# Altium PCB AirQualityMonitor.PcbDoc (continued)
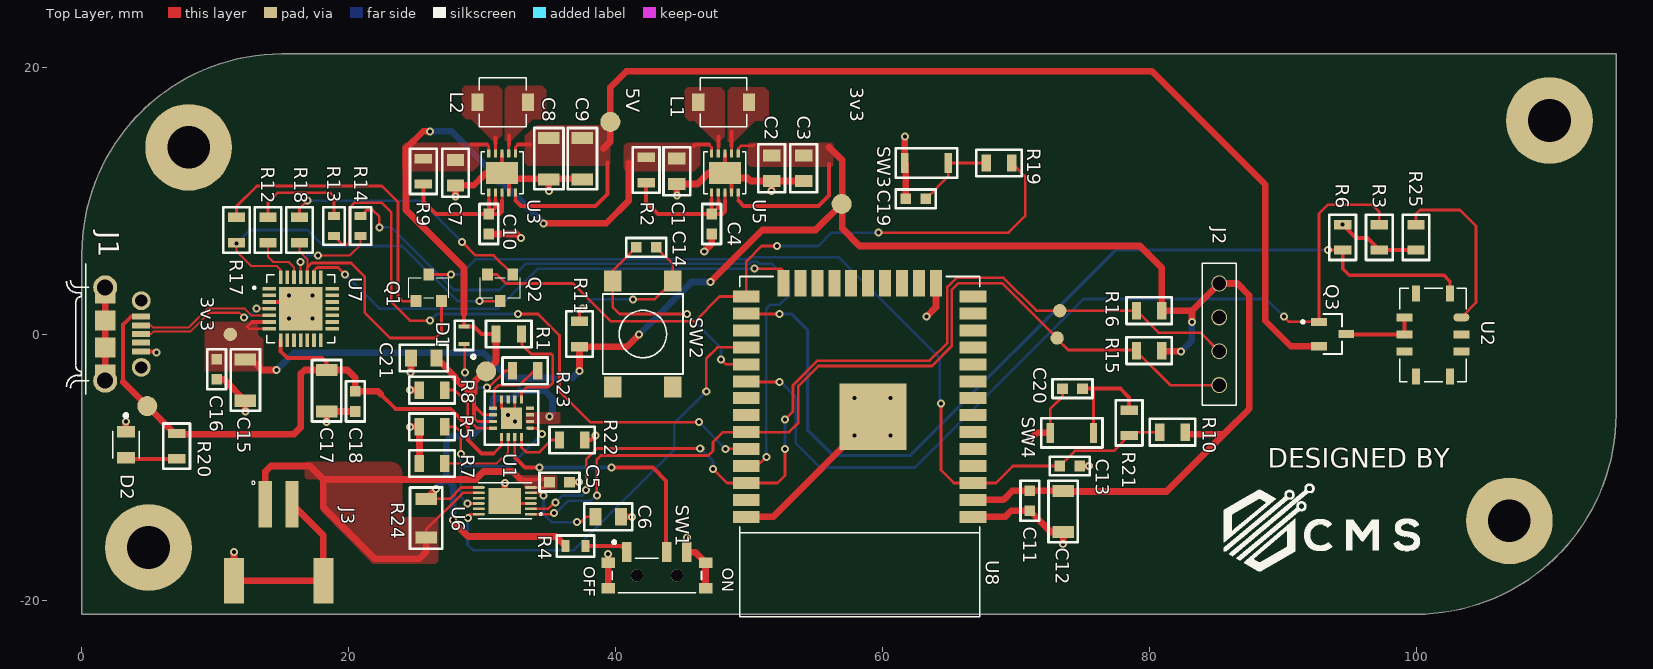
[diagram p0: Top Layer view]
## Part data (continued)
Q3: "P-Channel MOSFET 045R at VGS=-4.5V ID = -4.3A", Manufacturer=Diodes, Supplier Part Number 1=621-DMP2045U-7, ComponentLink1Description=Datasheet, ComponentLink1URL=https://www.diodes.com/assets/Datasheets/DMP2045U.pdf, Manufacturer Part Number=DMP2045U-7, Pricing 1="1=0.45, 10=0.289, 50=0.289, 100=0.124, 1000=0.095, 10000=0.064 (USD)", Stock 1=0, Supplier 1=Mouser
R1 R3 R5 R6 R10 R11 R17 R18: library part RC0805FR-0710KL, "RES SMD 10K OHM 1% 1/8W 0805", Case/Package=0805, Case Code (Metric)=2012, Manufacturer=Yageo, Max Operating Temperature=155°C, Max Power Dissipation=125mW, Min Operating Temperature=-55°C, Package Quantity=1, Resistance=10kR, Supplier Part Number 1=311-10.0KCRDKR-ND, Temperature Coefficient=100ppm/°C, Tolerance=1%, Voltage Rating=150V, Case Code (Imperial)=0805, ComponentLink1Description=http://www.yageo.com/documents/recent/PYu-RC_Group_51_RoHS_L_9.pdf, ComponentLink1URL=http://www.yageo.com/documents/recent/PYu-RC_Group_51_RoHS_L_9.pdf, ComponentLink2Description=http://www.farnell.com/datasheets/444164.pdf, ComponentLink2URL=http://www.farnell.com/datasheets/444164.pdf, ComponentLink3Description=http://www.yageo.ru/pdf/RC0805.pdf, ComponentLink3URL=http://www.yageo.ru/pdf/RC0805.pdf, Composition="Thick Film", Depth=1.25mm, Features="Moisture Resistant", Height=0.024inch, Lead Free="Lead Free", Length=2mm, Manufacturer Part Number=RC0805FR-0710KL, Military Standard=Not, Number of Terminations=2, Packaging="Tape and Reel", Power Rating=125mW, Pricing 1="1=0.1, 10=0.046, 100=0.0186, 1000=0.00835, 2500=0.00725 (USD)", REACH SVHC=Unknown, Stock 1=50767607, Supplier 1=Digi-Key, Termination=SMD/SMT, Width=0.049inch
R2 R9: library part RC0805JR-07100RL, "RES, THICK FILM, 100R, 5%, 0.125W, 0805", Case/Package=0805, Case Code (Metric)=2012, Manufacturer=Yageo, Max Operating Temperature=155°C, Min Operating Temperature=-55°C, Power Rating=125mW, Supplier Part Number 1=603-RC0805JR-07100RL, Temperature Coefficient=100ppm/°C, Tolerance=5%, Voltage Rating=150V, Case Code (Imperial)=0805, ComponentLink1Description=http://www.farnell.com/datasheets/444164.pdf, ComponentLink1URL=http://www.farnell.com/datasheets/444164.pdf, ComponentLink2Description=http://www.farnell.com/datasheets/2167052.pdf, ComponentLink2URL=http://www.farnell.com/datasheets/2167052.pdf, ComponentLink3Description=http://www.farnell.com/datasheets/442941.pdf, ComponentLink3URL=http://www.farnell.com/datasheets/442941.pdf, ComponentLink4Description=http://www.yageo.ru/pdf/RC0805.pdf, ComponentLink4URL=http://www.yageo.ru/pdf/RC0805.pdf, Composition="Thick Film", Contact Plating=Lead,Matte,Tin, Lead Free="Lead Free", Manufacturer Part Number=RC0805JR-07100RL, Packaging="Tape and Reel", Pricing 1="1=0.11, 10=0.026, 50=0.026, 100=0.009, 1000=0.007, 10000=0.004 (USD)", Radiation Hardening=No, REACH SVHC=Unknown, Resistance=100R, Stock 1=497207, Supplier 1=Mouser, Termination=SMD/SMT
R4: library part RC0603FR-07100KL, "YAGEO         RC0603FR-07100KL             RES, THICK FILM, 100K, 1%, 0.1W, 0603", Case/Package=0603, Case Code (Metric)=1608, Manufacturer=Yageo, Max Operating Temperature=155°C, Min Operating Temperature=-55°C, Power Rating=100mW, Resistance=100kR, Supplier Part Number 1=603-RC0603FR-07100KL, Temperature Coefficient=100ppm/°C, Tolerance=1%, Voltage Rating=50V, Working Voltage=75V, Case Code (Imperial)=0603, ComponentLink1Description=http://www.farnell.com/datasheets/2167052.pdf, ComponentLink1URL=http://www.farnell.com/datasheets/2167052.pdf, ComponentLink2Description=http://www.farnell.com/datasheets/1868787.pdf, ComponentLink2URL=http://www.farnell.com/datasheets/1868787.pdf, ComponentLink3Description=http://www.farnell.com/datasheets/1738695.pdf, ComponentLink3URL=http://www.farnell.com/datasheets/1738695.pdf, ComponentLink4Description=http://documents.rs-components.com/techlib://itc_doclist_GB.htm?stockno=5048940, ComponentLink4URL=http://documents.rs-components.com/techlib://itc_doclist_GB.htm?stockno=5048940, ComponentLink5Description=http://www.farnell.com/datasheets/443971.pdf, ComponentLink5URL=http://www.farnell.com/datasheets/443971.pdf, Composition="Thick Film", Depth=0.8mm, Height=0.45mm, Lead Free="Lead Free", Length=1.6mm, Manufacturer Part Number=RC0603FR-07100KL, Military Standard=Not, Number of Pins=2, Number of Terminations=2, Packaging="Tape and Reel", Pricing 1="1=0.1, 10=0.018, 50=0.018, 100=0.006, 1000=0.005, 10000=0.003 (USD)", REACH SVHC="No SVHC", Stock 1=667937, Supplier 1=Mouser, Termination=SMD/SMT, Voltage Rating (DC)=50V, Width=0.8mm
R7: library part CRCW080518K0FKEA, "RES SMD 18K OHM 1% 1/8W 0805", Case/Package=0805, Case Code (Metric)=2012, Manufacturer=Vishay, Max Operating Temperature=155°C, Max Power Dissipation=125mW, Min Operating Temperature=-55°C, Package Quantity=10, Resistance=18kR, Supplier Part Number 1=541-18.0KCDKR-ND, Temperature Coefficient=100ppm/°C, Tolerance=1%, Voltage Rating=150V, Case Code (Imperial)=0805, ComponentLink1Description=http://www.vishay.com/docs/20035/dcrcwe3.pdf, ComponentLink1URL=http://www.vishay.com/docs/20035/dcrcwe3.pdf, ComponentLink2Description=https://www.distrelec.biz/Web/Downloads/a_/en/flD-CRCW-e3_data_en.pdf?mime=application%2Fpdf, ComponentLink2URL=https://www.distrelec.biz/Web/Downloads/a_/en/flD-CRCW-e3_data_en.pdf?mime=application%2Fpdf, ComponentLink3Description=http://www.farnell.com/datasheets/2046716.pdf, ComponentLink3URL=http://www.farnell.com/datasheets/2046716.pdf, ComponentLink4Description=http://www.alliedelec.com/m/d/0c934d6939ccefa68dbe0b96d821c8cf.pdf, ComponentLink4URL=http://www.alliedelec.com/m/d/0c934d6939ccefa68dbe0b96d821c8cf.pdf, ComponentLink5Description=http://uk.rs-online.com/webdocs/0d98/0900766b80d98b26.pdf, ComponentLink5URL=http://uk.rs-online.com/webdocs/0d98/0900766b80d98b26.pdf, ComponentLink6Description=http://www.mouser.com/ds/2/427/dcrcwe3-109170.pdf, ComponentLink6URL=http://www.mouser.com/ds/2/427/dcrcwe3-109170.pdf, Composition="Thick Film", Contact Plating=Tin, Depth=1.25mm, Features="Automotive AEC-Q200", Height=0.45mm, Lead Free="Lead Free", Length=2mm, Manufacturer Part Number=CRCW080518K0FKEA, Military Standard=Not, Number of Pins=2, Number of Terminations=2, Packaging="Tape and Reel", Power Rating=125mW, Pricing 1="1=0.1, 10=0.069, 100=0.028, 1000=0.01256, 2500=0.0109 (USD)", Radiation Hardening=No, REACH SVHC=Unknown, Stock 1=0, Supplier 1=Digi-Key, Termination=SMD/SMT, Voltage Rating (DC)=150V, Weight=0.000194oz, Width=0.049inch, Working Voltage=150V
R8 R20 R22 R23: library part CRCW08051K60FKEA, "RES SMD 1.6K OHM 1% 1/8W 0805", Case/Package=0805, Case Code (Metric)=2012, Manufacturer=Vishay, Max Operating Temperature=155°C, Max Power Dissipation=125mW, Min Operating Temperature=-55°C, Package Quantity=5000, Resistance=1.6kR, Supplier Part Number 1=541-1.60KCDKR-ND, Temperature Coefficient=100ppm/°C, Tolerance=1%, Voltage Rating=150V, Case Code (Imperial)=0805, ComponentLink1Description=http://www.vishay.com/docs/20035/dcrcwe3.pdf, ComponentLink1URL=http://www.vishay.com/docs/20035/dcrcwe3.pdf, ComponentLink2Description=http://uk.rs-online.com/webdocs/0d98/0900766b80d98b26.pdf, ComponentLink2URL=http://uk.rs-online.com/webdocs/0d98/0900766b80d98b26.pdf, ComponentLink3Description=http://www.mouser.com/ds/2/427/dcrcwe3-109170.pdf, ComponentLink3URL=http://www.mouser.com/ds/2/427/dcrcwe3-109170.pdf, ComponentLink4Description=http://www.farnell.com/datasheets/2111203.pdf, ComponentLink4URL=http://www.farnell.com/datasheets/2111203.pdf, ComponentLink5Description=http://www.farnell.com/datasheets/2046716.pdf, ComponentLink5URL=http://www.farnell.com/datasheets/2046716.pdf, ComponentLink6Description=http://www.farnell.com/datasheets/1847332.pdf, ComponentLink6URL=http://www.farnell.com/datasheets/1847332.pdf, ComponentLink7Description=http://www.farnell.com/datasheets/1697337.pdf, ComponentLink7URL=http://www.farnell.com/datasheets/1697337.pdf, ComponentLink8Description=https://www.distrelec.biz/Web/Downloads/a_/en/flD-CRCW-e3_data_en.pdf?mime=application%2Fpdf, ComponentLink8URL=https://www.distrelec.biz/Web/Downloads/a_/en/flD-CRCW-e3_data_en.pdf?mime=application%2Fpdf, Composition="Thick Film", Contact Plating=Tin, Depth=1.25mm, Features="Automotive AEC-Q200", Height=0.45mm, Lead Free="Lead Free", Length=2mm, Manufacturer Part Number=CRCW08051K60FKEA, Military Standard=Not, Number of Pins=2, Number of Terminations=2, Packaging="Tape and Reel", Power Rating=125mW, Pricing 1="1=0.1, 10=0.069, 100=0.028, 1000=0.01256, 2500=0.0109 (USD)", Radiation Hardening=No, REACH SVHC=Unknown, Stock 1=12623, Supplier 1=Digi-Key, Termination=SMD/SMT, Voltage Rating (DC)=150V, Weight=0.000194oz, Width=0.049inch
R12 R19 R21: library part RC0805FR-07470RL, "RES SMD 470 OHM 1% 1/8W 0805", Case/Package=0805, Case Code (Metric)=2012, Manufacturer=Yageo, Max Operating Temperature=155°C, Max Power Dissipation=125mW, Min Operating Temperature=-55°C, Package Quantity=1, Resistance=470R, Supplier Part Number 1=311-470CRDKR-ND, Temperature Coefficient=100ppm/°C, Tolerance=1%, Voltage Rating=150V, Case Code (Imperial)=0805, ComponentLink1Description=http://www.yageo.com/documents/recent/PYu-RC_Group_51_RoHS_L_9.pdf, ComponentLink1URL=http://www.yageo.com/documents/recent/PYu-RC_Group_51_RoHS_L_9.pdf, ComponentLink2Description=http://www.farnell.com/datasheets/444164.pdf, ComponentLink2URL=http://www.farnell.com/datasheets/444164.pdf, ComponentLink3Description=http://documents.rs-components.com/techlib://itc_doclist_GB.htm?stockno=6182546, ComponentLink3URL=http://documents.rs-components.com/techlib://itc_doclist_GB.htm?stockno=6182546, ComponentLink4Description=http://www.yageo.ru/pdf/RC0805.pdf, ComponentLink4URL=http://www.yageo.ru/pdf/RC0805.pdf, Composition="Thick Film", Depth=1.25mm, Features="Moisture Resistant", Height=0.5mm, Lead Free="Lead Free", Lead Pitch=0.4mm, Length=2mm, Manufacturer Part Number=RC0805FR-07470RL, Military Standard=Not, Number of Pins=2, Number of Terminations=2, Packaging="Tape and Reel", Power Rating=125mW, Pricing 1="1=0.1, 10=0.046, 100=0.0186, 1000=0.00835, 2500=0.00725 (USD)", REACH SVHC=Unknown, Stock 1=2436062, Supplier 1=Digi-Key, Termination=SMD/SMT, Voltage Rating (DC)=150V, Width=1.25mm
R13 R14: library part RC0603FR-070RL, "Thick Film Resistors - SMD 0.0ohm 1%", Case/Package=0603, Case Code (Metric)=1608, Current Rating=1A, Manufacturer=Yageo, Max Operating Temperature=155°C, Max Power Dissipation=100mW, Min Operating Temperature=-55°C, Package Quantity=5000, Resistance=0mR, Supplier Part Number 1=311-0.0HRCT-ND, Temperature Coefficient=200ppm/°C, Tolerance=1%, Voltage Rating=50V, Working Voltage=75V, Case Code (Imperial)=0603, ComponentLink1Description=http://www.farnell.com/datasheets/1868787.pdf, ComponentLink1URL=http://www.farnell.com/datasheets/1868787.pdf, ComponentLink2Description=http://www.farnell.com/datasheets/443971.pdf, ComponentLink2URL=http://www.farnell.com/datasheets/443971.pdf, ComponentLink3Description=http://www.yageo.com/documents/recent/PYu-RC_Group_51_RoHS_L_9.pdf, ComponentLink3URL=http://www.yageo.com/documents/recent/PYu-RC_Group_51_RoHS_L_9.pdf, ComponentLink4Description=http://documents.rs-components.com/techlib://itc_doclist_GB.htm?stockno=5048827, ComponentLink4URL=http://documents.rs-components.com/techlib://itc_doclist_GB.htm?stockno=5048827, Composition="Thick Film", Contact Plating=Matte,Tin, Depth=0.8mm, Features="Moisture Resistant", Height=0.45mm, Lead Free="Lead Free", Length=1.6mm, Manufacturer Part Number=RC0603FR-070RL, Military Standard=Not, Number of Pins=2, Number of Terminations=2, Packaging="Tape and Reel", Power Rating=100mW, Radiation Hardening=No, REACH SVHC="No SVHC", Stock 1=0, Supplier 1=Mouser, Termination=SMD/SMT, Voltage Rating (DC)=50V, Width=0.031inch
R15 R16: library part RC0805JR-074K7L, "YAGEO         RC0805JR-074K7L             RES, THICK FILM, 4K7, 5%, 0.125W, 0805", Case/Package=Molded, Case Code (Imperial)=0805, Case Code (Metric)=2012, Manufacturer=Yageo, Max Operating Temperature=155°C, Min Operating Temperature=-55°C, Power Rating=125mW, Resistance=4.7kR, Supplier Part Number 1=311-4.7KARDKR-ND, Temperature Coefficient=100ppm/°C, Tolerance=5%, Voltage Rating=150V, ComponentLink1Description=http://www.farnell.com/datasheets/442941.pdf, ComponentLink1URL=http://www.farnell.com/datasheets/442941.pdf, ComponentLink2Description=http://www.yageo.ru/pdf/RC0805.pdf, ComponentLink2URL=http://www.yageo.ru/pdf/RC0805.pdf, ComponentLink3Description=http://www.mouser.com/ds/2/447/Yageo_08112016_RC0805-968729.pdf, ComponentLink3URL=http://www.mouser.com/ds/2/447/Yageo_08112016_RC0805-968729.pdf, Composition="Thick Film", Contact Plating=Lead,Matte,Tin, Depth=1.25mm, Lead Free="Lead Free", Length=2mm, Manufacturer Part Number=RC0805JR-074K7L, Military Standard=Not, Packaging="Tape and Reel", Pricing 1="1=0.1, 10=0.036, 100=0.0146, 1000=0.00654, 2500=0.00568 (USD)", Radiation Hardening=No, REACH SVHC=Unknown, Stock 1=4671769, Supplier 1=Digi-Key, Termination=SMD/SMT
R24: library part ERJ-8BWFR010V, "Current Sense Resistor, 0.01 ohm, 1206 [3216 Metric], 1 W,  1%, ERJ8B Series", Case/Package=1206, Case Code (Metric)=3216, Manufacturer=Panasonic, Max Operating Temperature=155°C, Max Power Dissipation=1W, Min Operating Temperature=-55°C, Package Quantity=1, Resistance=10mR, Supplier Part Number 1=P.010AUDKR-ND, Temperature Coefficient=200ppm/°C, Tolerance=1%, Case Code (Imperial)=1206, ComponentLink1Description=http://uk.rs-online.com/webdocs/13b8/0900766b813b869e.pdf, ComponentLink1URL=http://uk.rs-online.com/webdocs/13b8/0900766b813b869e.pdf, ComponentLink2Description=http://industrial.panasonic.com/www-data/pdf/AOA0000/AOA0000CE3.pdf, ComponentLink2URL=http://industrial.panasonic.com/www-data/pdf/AOA0000/AOA0000CE3.pdf, ComponentLink3Description=https://www.distrelec.biz/Web/Downloads/_t/ds/ERJ_eng_tds.pdf?mime=application%2Fpdf, ComponentLink3URL=https://www.distrelec.biz/Web/Downloads/_t/ds/ERJ_eng_tds.pdf?mime=application%2Fpdf, ComponentLink4Description=https://industrial.panasonic.com/cdbs/www-data/pdf/RDN0000/AOA0000C313.pdf, ComponentLink4URL=https://industrial.panasonic.com/cdbs/www-data/pdf/RDN0000/AOA0000C313.pdf, ComponentLink5Description=http://www.farnell.com/datasheets/39793.pdf, ComponentLink5URL=http://www.farnell.com/datasheets/39793.pdf, Composition="Low-Ohm-Resistor,Thick Film", Contact Plating=Tin, Depth=1.6mm, Features="Automotive AEC-Q200", Height=0.65mm, Lead Free="Lead Free", Length=3.2mm, Manufacturer Part Number=ERJ-8BWFR010V, Military Standard=Not, Mount="Surface Mount", Number of Terminations=2, Packaging="Tape and Reel", Power Rating=1W, Pricing 1="1=0.74, 10=0.618, 100=0.4148, 1000=0.2427, 2500=0.23475 (USD)", Radiation Hardening=No, REACH SVHC="No SVHC", Stock 1=131309, Supplier 1=Digi-Key, Termination=SMD/SMT, Width=1.6mm
R25: library part CRCW080582R0FKEA, "RES SMD 82 OHM 1% 1/8W 0805", Case/Package=0805, Case Code (Metric)=2012, Manufacturer=Vishay, Max Operating Temperature=155°C, Max Power Dissipation=125mW, Min Operating Temperature=-55°C, Package Quantity=10, Resistance=82R, Supplier Part Number 1=541-82.0CDKR-ND, Temperature Coefficient=100ppm/°C, Tolerance=1%, Voltage Rating=150V, Case Code (Imperial)=0805, ComponentLink1Description=http://www.vishay.com/docs/20035/dcrcwe3.pdf, ComponentLink1URL=http://www.vishay.com/docs/20035/dcrcwe3.pdf, ComponentLink2Description=https://www.alliedelec.com/m/d/0c934d6939ccefa68dbe0b96d821c8cf.pdf, ComponentLink2URL=https://www.alliedelec.com/m/d/0c934d6939ccefa68dbe0b96d821c8cf.pdf, ComponentLink3Description=http://www.farnell.com/datasheets/1697337.pdf, ComponentLink3URL=http://www.farnell.com/datasheets/1697337.pdf, ComponentLink4Description=http://www.farnell.com/datasheets/2111203.pdf, ComponentLink4URL=http://www.farnell.com/datasheets/2111203.pdf, ComponentLink5Description=http://www.farnell.com/datasheets/2046716.pdf, ComponentLink5URL=http://www.farnell.com/datasheets/2046716.pdf, ComponentLink6Description=https://www.distrelec.biz/Web/Downloads/a_/en/flD-CRCW-e3_data_en.pdf?mime=application%2Fpdf, ComponentLink6URL=https://www.distrelec.biz/Web/Downloads/a_/en/flD-CRCW-e3_data_en.pdf?mime=application%2Fpdf, ComponentLink7Description=http://www.mouser.com/ds/2/427/dcrcwe3-109170.pdf, ComponentLink7URL=http://www.mouser.com/ds/2/427/dcrcwe3-109170.pdf, ComponentLink8Description=http://uk.rs-online.com/webdocs/0d98/0900766b80d98b26.pdf, ComponentLink8URL=http://uk.rs-online.com/webdocs/0d98/0900766b80d98b26.pdf, Composition="Thick Film", Contact Plating=Tin, Depth=1.25mm, Features="Automotive AEC-Q200", Height=0.45mm, Lead Free="Lead Free", Length=2mm, Manufacturer Part Number=CRCW080582R0FKEA, Military Standard=Not, Number of Pins=2, Number of Terminations=2, Packaging="Tape and Reel", Power Rating=125mW, Pricing 1="1=0.1, 10=0.069, 100=0.028, 1000=0.01256, 2500=0.0109 (USD)", Radiation Hardening=No, REACH SVHC=Unknown, Stock 1=0, Supplier 1=Digi-Key, Termination=SMD/SMT, Voltage Rating (DC)=150V, Weight=0.000194oz, Width=0.049inch
SW1: "C & K COMPONENTS         PCM12SMTR             Slide Switch, SPDT, On-On, SMD, PCM Series, 300 mA", Contact Current Rating=300mA, Contact Resistance=70mR, Insulation Resistance=100mR, Manufacturer="ITT C&K", Max Operating Temperature=85°C, Max Voltage Rating (DC)=6V, Min Operating Temperature=-20°C, Package Quantity=1, Supplier Part Number 1=611-PCM12SMTR, Actuator Length=1.5mm, Actuator Material=Nylon,Polyamide, Actuator Type=Standard, ComponentLink1Description=https://www.ckswitches.com/media/1424/pcm.pdf, ComponentLink1URL=https://www.ckswitches.com/media/1424/pcm.pdf, ComponentLink2Description=https://products.avnet.com/shop/en/asia/switches-and-relays/switches/slide-switch/www.ckswitches.com/media/1424/pcm.pdf, ComponentLink2URL=https://products.avnet.com/shop/en/asia/switches-and-relays/switches/slide-switch/www.ckswitches.com/media/1424/pcm.pdf, ComponentLink3Description=http://www1.futureelectronics.com/doc/C%20&%20K%20COMPONENTS/PCM12SMTR.pdf, ComponentLink3URL=http://www1.futureelectronics.com/doc/C%20&%20K%20COMPONENTS/PCM12SMTR.pdf, ComponentLink4Description=http://www.farnell.com/datasheets/1789487.pdf, ComponentLink4URL=http://www.farnell.com/datasheets/1789487.pdf, Contact Material="Copper,Copper Alloy,Silver", Contact Plating=Silver, Current Rating=300mA, Depth=5mm, Lead Free="Lead Free", Length=7.7mm, Manufacturer Part Number=PCM12SMTR, Max Current Rating=300mA, Mechanical Life=10000Cycles, Mount="Surface Mount", Orientation="Right Angle", Packaging="Tape and Reel", Pricing 1="1=0.87, 10=0.83, 50=0.762, 100=0.726, 1000=0.581, 10000=0.528 (USD)", REACH SVHC="No SVHC", Stock 1=22229, Supplier 1=Mouser, Switch Function=On-On, Switch Travel=1.5mm, Termination="Gull Wing", Throw Configuration=SPDT, Voltage Rating (AC)=6V, Voltage Rating (DC)=6V, Width=6.7mm
SW2: "Switch Tact 6mm 100gf h=4.3mm", Package=None, Availability=Unavailable, MF=C&K, MP=PTS645SM43SMTR, Price=None, SnapEDA_Link=https://www.snapeda.com/parts/PTS645SM43SMTR/C%26K/view-part/?ref=snap
SW3 SW4: library part EVPAWCD4A, "Tactile Switch", Manufacturer=Panasonic, Supplier Part Number 1=P123439CT-ND, ComponentLink1Description=http://datasheet.octopart.com/EVPAWCD4A-Panasonic-datasheet-96186218.pdf, ComponentLink1URL=http://datasheet.octopart.com/EVPAWCD4A-Panasonic-datasheet-96186218.pdf, Manufacturer Part Number=EVPAWCD4A, Pricing 1="1=0.3, 10=0.289, 25=0.2788, 50=0.2686, 100=0.2582, 250=0.23756, 500=0.20658, 1000=0.17559, 5000=0.14719 (USD)", Stock 1=19414, Supplier 1=Digikey
U1: library part BQ24075RGTT, "TEXAS INSTRUMENTS   BQ24075RGTT   IC, BATTERY CHARGER,LI-ION, 1.5A, QFN-16", Case/Package=QFN, Manufacturer="Texas Instruments", Max Charge Current=1.5A, Max Input Voltage=26V, Max Operating Temperature=85°C, Max Output Current=4.5A, Max Output Voltage=5.6V, Max Supply Voltage=6.4V, Min Input Voltage=4.3V, Min Operating Temperature=-40°C, Min Output Voltage=5.4V, Min Supply Voltage=4.35V, Output Voltage=4.2V, Package Quantity=1, Supplier Part Number 1=595-BQ24075RGTT, ComponentLink1Description=https://www.verical.com/server-webapp/html/getDatasheet?partID=313264, ComponentLink1URL=https://www.verical.com/server-webapp/html/getDatasheet?partID=313264, ComponentLink2Description=http://www.ti.com/lit/gpn/bq24075, ComponentLink2URL=http://www.ti.com/lit/gpn/bq24075, ComponentLink3Description=http://www.farnell.com/datasheets/1885912.pdf, ComponentLink3URL=http://www.farnell.com/datasheets/1885912.pdf, ComponentLink4Description=http://www.farnell.com/datasheets/2001589.pdf, ComponentLink4URL=http://www.farnell.com/datasheets/2001589.pdf, ComponentLink5Description=http://www.ti.com/lit/ds/symlink/bq24079.pdf, ComponentLink5URL=http://www.ti.com/lit/ds/symlink/bq24079.pdf, ComponentLink6Description=http://www.ti.com/general/docs/lit/getliterature.tsp?genericPartNumber=BQ24079&&fileType=pdf, ComponentLink6URL=http://www.ti.com/general/docs/lit/getliterature.tsp?genericPartNumber=BQ24079&&fileType=pdf, ComponentLink7Description=http://datasheet.iiic.cc/texas_instruments/BQ24075RGTT.pdf, ComponentLink7URL=http://datasheet.iiic.cc/texas_instruments/BQ24075RGTT.pdf, Contact Plating=Gold, Height=0.95mm, Lead Free="Lead Free", Length=3.15mm, Manufacturer Part Number=BQ24075RGTT, Number of Cells=1, Number of Pins=16, Output Current=1.5A, Packaging="Tape and Reel", Pricing 1="1=2.59, 10=2.2, 50=2.2, 100=1.76, 1000=1.28, 10000=1.15 (USD)", Radiation Hardening=No, REACH SVHC="No SVHC", Stock 1=2131, Supplier 1=Mouser, Termination=SMD/SMT, Weight=0.000808oz, Width=3.15mm
U2: "10-500ppm Ethanol Sensor", Current Rating=32mA, Heating power="76mW typ, 71mW min, 81mW max", Heating resistance at nominal power="74R typ, 66R min, 82R max", Heating voltage=2.4V, Manufacturer="Amphenol SGX Sensortech", Max heater power dissipation=88mW, Maximum Operating Temp=+85C, Max sensitive layer power dissipation=8mW, Minimum Operating Temp=-30C, Sensing resistance in air (R_0)="100 to 1500R", Storage temperature range="-40 to 120C", Supplier Part Number 1=523-MICS-5524, Supply Voltage Max=5.1V, Supply Voltage Min=4.9V, Ammonia range=1-500ppm, Carbon monoxide range=1-1000ppm, Category="Air Quality Sensors", ComponentLink1Description="Hook-up Guide", ComponentLink1URL=https://learn.adafruit.com/adafruit-mics5524-gas-sensor-breakout/overview, ComponentLink2Description=Manufacturer, ComponentLink2URL=https://sgx.cdistore.com/Products/Detail/MICS5524-SGX-Sensortech/333420/, ComponentLink3Description=Datasheet, ComponentLink3URL=https://www.mouser.com/datasheet/2/18/1084_Datasheet-MiCS-5524-rev-8-1144838.pdf, Ethanol range=10-500ppm, Hydrogen range=1-1000ppm, Methane range=>1000ppm, Mounting Style=SMD, Relative humidity range=5-95%RH, Series=MICS, Supplier 1=Mouser
U3: library part TPS63002DRCR, "IC REG BUCK BOOST 5V 1.6A 10SON", Manufacturer="Texas Instruments", Max Input Voltage=5.5V, Max Operating Temperature=85°C, Max Output Current=1.2A, Max Output Voltage=5V, Min Input Voltage=1.8V, Min Operating Temperature=-40°C, Package Quantity=1, Quiescent Current=30uA, Supplier Part Number 1=595-TPS63002DRCR, Switching Frequency=1.5MHz, ComponentLink1Description=http://www.farnell.com/datasheets/1854797.pdf, ComponentLink1URL=http://www.farnell.com/datasheets/1854797.pdf, ComponentLink2Description=http://www.ti.com/lit/ds/symlink/tps63001.pdf, ComponentLink2URL=http://www.ti.com/lit/ds/symlink/tps63001.pdf, ComponentLink3Description=http://focus.ti.com/lit/ds/symlink/tps63001.pdf, ComponentLink3URL=http://focus.ti.com/lit/ds/symlink/tps63001.pdf, ComponentLink4Description=http://www.ti.com/general/docs/lit/getliterature.tsp?genericPartNumber=TPS63002&&fileType=pdf, ComponentLink4URL=http://www.ti.com/general/docs/lit/getliterature.tsp?genericPartNumber=TPS63002&&fileType=pdf, Contact Plating=Gold, Efficiency=96%, Lead Free="Lead Free", Manufacturer Part Number=TPS63002DRCR, Min Output Voltage=5V, Nominal Output Voltage=5V, Number of Outputs=1, Number of Pins=10, Operating Supply Voltage=5.5V, Output Current=1.2A, Output Type=Fixed, Output Voltage=5V, Packaging="Tape and Reel", Pricing 1="1=2.2, 10=1.87, 50=1.87, 100=1.5, 1000=1.09, 10000=0.973 (USD)", Radiation Hardening=No, REACH SVHC="No SVHC", Stock 1=3675, Supplier 1=Mouser, Synchronous Rectifier=Yes, Topology=Buck-Boost, Weight=0.000921oz
U5: library part TPS63001DRCT, "Conv DC-DC Single Non-Inv/Inv/Step Up/Step Down 1.8V to 5.5V 10-Pin VSON EP T/R", Frequency=1.5MHz, Manufacturer="Texas Instruments", Max Input Voltage=5.5V, Max Operating Temperature=85°C, Max Output Current=1.2A, Max Output Voltage=3.3V, Min Input Voltage=1.8V, Min Operating Temperature=-40°C, Package Quantity=250, Quiescent Current=30uA, Supplier Part Number 1=595-TPS63001DRCT, ComponentLink1Description=http://www.ti.com/lit/ds/symlink/tps63001.pdf, ComponentLink1URL=http://www.ti.com/lit/ds/symlink/tps63001.pdf, ComponentLink2Description=http://www.farnell.com/datasheets/1764456.pdf, ComponentLink2URL=http://www.farnell.com/datasheets/1764456.pdf, ComponentLink3Description=http://www.ti.com/general/docs/lit/getliterature.tsp?genericPartNumber=TPS63002&&fileType=pdf, ComponentLink3URL=http://www.ti.com/general/docs/lit/getliterature.tsp?genericPartNumber=TPS63002&&fileType=pdf, ComponentLink4Description=https://www.verical.com/server-webapp/html/getDatasheet?partID=188363, ComponentLink4URL=https://www.verical.com/server-webapp/html/getDatasheet?partID=188363, Contact Plating=Gold, Efficiency=96%, Height=0.9mm, Lead Free="Lead Free", Length=3mm, Manufacturer Part Number=TPS63001DRCT, Max Supply Voltage=5.5V, Min Output Voltage=3.3V, Min Supply Voltage=1.8V, Nominal Output Voltage=3.3V, Number of Outputs=1, Number of Pins=10, Output Configuration=Positive, Output Current=1.2A, Output Type=Fixed, Output Voltage=3.3V, Packaging="Tape and Reel", Pricing 1="1=2.53, 10=2.15, 50=2.15, 100=1.73, 1000=1.25, 10000=1.12 (USD)", Radiation Hardening=No, REACH SVHC="No SVHC", Stock 1=4204, Supplier 1=Mouser, Switching Frequency=1.5MHz, Synchronous Rectifier=Yes, Termination=SMD/SMT, Topology=Buck-Boost, Weight=0.000921oz, Width=3mm
U6: library part BQ27441DRZR-G1A, "IC BATT FUEL GAUGE LI-ION 12SON", Capacity=8000mAh, Case/Package=QFN, Manufacturer="Texas Instruments", Max Operating Temperature=85°C, Min Operating Temperature=-40°C, Operating Supply Voltage=4.5V, Output Current=500uA, Output Voltage=600mV, Package Quantity=3000, Supplier Part Number 1=595-BQ27441DRZR-G1A, ComponentLink1Description=Datasheet, ComponentLink1URL=http://www.ti.com/lit/ds/symlink/bq27441-g1.pdf, Contact Plating=Gold, Interface=I2C, Lead Free="Lead Free", Manufacturer Part Number=BQ27441DRZR-G1A, Mount="Surface Mount", Number of Cells=1, Number of Pins=12, Packaging="Tape and Reel", Pricing 1="1=2.54, 10=2.16, 50=2.16, 100=1.73, 1000=1.25, 10000=1.13 (USD)", Stock 1=12994, Supplier 1=Mouser
U7: library part CP2102N-A01-GQFN28, "SILICON LABS         CP2102N-A01-GQFN28             Interface Bridges, USB to UART, 3 V, 3.6 V, QFN, 28 Pins, -40 C                          New", Case/Package=QFN, Manufacturer="Silicon Labs", Max Operating Temperature=85°C, Max Supply Voltage=3.6V, Min Operating Temperature=-40°C, Min Supply Voltage=3V, Supplier Part Number 1=336-3694-ND, Manufacturer Part Number=CP2102N-A01-GQFN28, Number of Pins=28, Pricing 1="1=1.4, 25=1.3516, 100=1.2995, 1000=1.22501 (USD)", REACH SVHC=Unknown, Stock 1=15372, Supplier 1=Digi-Key
U8: "ESP32 Module", Manufacturer="Espressif Systems", Supplier Part Number 1=356-ESP32WROOM-32D, ComponentLink1Description=Datasheet, ComponentLink1URL=https://www.mouser.com/datasheet/2/891/esp32-wroom-32d_esp32-wroom-32u_datasheet_en-1365844.pdf, Manufacturer Part Number=ESP32-WROOM-32D, Pricing 1="1=3.8, 10=3.8, 50=3.8, 100=3.8, 1000=3.8, 10000=3.8 (USD)", Stock 1=1150, Supplier 1=Mouser

## Free pads (board coordinates)
  round 6.5 hole 3.2 mask+0.3: 1(5,-16) 1(8,14) 1(107,-14) 1(110,16)
  round 1 smd mask+0.1: 1(11.127,-0.027) 6(73.3,1.75) 7(73.1,-0.3)
  round 1.5 smd mask+0.1: 1(39.615,15.9) 1(56.95,9.75) 8(4.9,-5.4) 9(30.3,-2.8)

## Via types
v1: diameter 0.6, hole 0.3, Top Layer to Bottom Layer, tented both sides, 94 vias

## Nets (pads, with @x,y where several pads share a name; then routed paths per layer and width w, separated by ;. In a path a pad name is that pad's centre, name@x,y a point inside that pad or via, vN(x,y) a via of type N, cw(c..) or ccw(c..) an arc to the next point about the centre after c; other vN are vias at no path point)
3V3: C2.2 C3.2 C11.2 C12.2 C15.2 C16.2 J2.1 pad.1@11.127,-0.027 pad.1@56.95,9.75 R10.2 R11.2 R15.1 R16.2 U5.1 U5.10 U7.6 U7.7 U8.2 | length 150.7
  Top Layer w0.2: 12.412,0.55 12.762,0.9 ; 12.5,0.4 U7.7 ; 49.2,10 U5.10 ; U5.1 49.2,13.908 49.4,14.108 50.308,14.108 50.4,14.2
  Top Layer w0.3: 12.762,0.9 U7.6 ; 49.2,10 49.6,9.6 55.211,9.6 56,10.389 56,12.73
  Top Layer w0.5: C15.2 12.7,-1.9 13.5,-2.7 v1(14.6,-2.7) ; v1(37.3,-2.755) R11.2 40.85,-0.95 v1(41.773,-0.027) ; v1(47.1,3.9) 51,7.8 55,7.8 pad.1@57,9.8 ; 56,14.008 57,13.008 pad.1@57,9.8 ; U8.2 69.07,-12.43 69.75,-11.75 C11.2 C12.2 73.6,-11.8 81.31,-11.8 85.61,-7.5 ; R15.1@80.95,-1.3 v1(82.4,-1.3) ; R10.2 82.85,-7.5 85.61,-7.5 ; v1(83.2,0.9) 83.21,0.91 83.21,1.75 ; pad.1@57,9.8 57,7.9 58.3,6.6 79.3,6.6 80.95,4.95 R16.2 83.21,1.75 ; 83.21,1.75 J2.1 86.61,3.79 87.5,2.9 87.5,-5.61 85.61,-7.5
  Bottom Layer w0.5: v1(14.6,-2.7) 15.9,-1.4 30.1,-1.4 32,-3.3 36.755,-3.3 v1(37.3,-2.755) ; v1(41.773,-0.027) 45.7,3.9 v1(47.1,3.9) ; v1(82.4,-1.3) 83.2,-0.5 v1(83.2,0.9)
5V: C8.2 C9.2 pad.1@39.615,15.9 Q3.S U3.1 U3.10 | length 85
  Top Layer w0.2: 32.5,10 U3.10 ; U3.1 32.5,14.008 32.7,14.208
  Top Layer w0.3: 32.5,10 32.9,9.6 38.511,9.6 39.4,10.489 39.4,12.846 ; 32.7,14.208 33.592,14.208
  Top Layer w0.5: 39.1,13.908 39.615,14.423 39.615,15.9 39.615,18.5 40.815,19.7 80.2,19.7 88.7,11.2 88.7,1 90.615,-0.915 Q3.S
AOUT: R6.2 U2.D U8.26 | length 70.6
  Top Layer w0.254: U8.26 49.84,1.5 v1(52.3,1.5) ; v1(93.4,6.3) R6.2 94.5,4.9 95,4.4 102.1,4.4 102.545,3.955 U2.D
  Bottom Layer w0.254: v1(52.3,1.5) 53.2,1.5 54.4,0.3 54.4,-7.2 56.3,-9.1 62.1,-9.1 77.5,6.3 v1(93.4,6.3)
BATTIN: C5.1 J3.1 R24.2 U6.6 U6.8 | length 45
  Top Layer w0.2: R24.2 25.8,-14.65 28.55,-11.9 U6.8 ; U6.6 34.655,-11.5 C5.1 35.05,-10.9 34.5,-10.9
  Top Layer w0.3: 32.9,-10.9 34.5,-10.9
  Top Layer w0.5: J3.1 13.75,-10.3 14.16,-9.89 17.09,-9.89 18.1,-10.9 ; R24.2 25.8,-16.335 25.285,-16.85 21.958,-16.85 18.1,-12.992 18.1,-10.9 ; 32.9,-10.9 32.3,-10.3 30.1,-10.3 29.5,-10.9 18.1,-10.9
CTS: U7.23 U8.24 | length 39.3
  Top Layer w0.2: U7.23 17.4,4.75 17.642,4.992 19.208,4.992 v1(19.74,4.46) ; v1(50.4,4.9) 52.4,4.9 52.585,4.715 U8.24
  Bottom Layer w0.2: v1(19.74,4.46) 22.3,1.9 31.2,1.9 34.2,4.9 v1(50.4,4.9)
DTR: Q2.C R17.1 U7.28 | length 27.4
  Top Layer w0.152: R17.1@11.59,6.8 11.59,6.21 12.7,5.1 14.6,5.1 14.9,4.8 U7.28
  Top Layer w0.2: v1(29.8,2.46) Q2.C
  Bottom Layer w0.2: v1(11.6,6.8) 12.6,7.8 16.9,7.8 18.1,6.6 24,6.6 28.14,2.46 v1(29.8,2.46)
EN: C13.2 Q1.C R10.1 R21.2 U8.3 | length 68.8
  Top Layer w0.2: Q1.C v1(27.66,4.46) ; v1(64.4,-5.2) 64.4,-10.2 65.36,-11.16 U8.3 68.51,-11.16 69.78,-9.89 C13.2 74.44,-8.75 77.35,-8.75 R21.2 78.75,-7.35 R10.1
  Bottom Layer w0.2: v1(27.66,4.46) 28.36,4.46 29.5,5.6 49.892,5.6 50.046,5.754 56.746,5.754 64.3,-1.8 64.3,-5.1 v1(64.4,-5.2)
ENSENSOR: Q3.G R3.1 U8.30 | length 67.7
  Top Layer w0.2: U8.30 49.86,-3.6 v1(52.3,-3.6) ; v1(90.1,1.3) 90.485,0.915 Q3.G 92.725,9.025 93.4,9.7 96.7,9.7 97.25,9.15 R3.1
  Bottom Layer w0.2: v1(52.3,-3.6) 52.4,-3.6 53.5,-4.7 53.5,-8.171 55.329,-10 62.431,-10 75.063,2.631 88.769,2.631 v1(90.1,1.3)
FUEL: U6.12 U8.28 | length 33
  Top Layer w0.2: v1(28.946,-13.8) 28.946,-13.654 29.1,-13.5 U6.12 ; v1(46.8,-4.3) 46.8,-1.841 47.641,-1 U8.28
  Bottom Layer w0.2: v1(28.946,-13.8) 28.9,-13.846 28.9,-15.8 29.3,-16.2 36.9,-16.2 44.4,-8.7 44.4,-6.7 v1(46.8,-4.3)
GND: C1.2 C2.1 C3.1 C4.1 C5.2 C6.1 C7.2 C8.1 C9.1 C10.1 C11.1 C12.1 C13.1 C15.1 C16.1 C17.1 C18.1 C19.1 C20.1 C21.2 D2.2 J1.5 J2.2 J3.2 J3.P1 J3.P2 pad.1@5,-16 pad.1@8,14 pad.1@107,-14 pad.1@110,16 R3.2 R5.1 R6.1 R7.1 R8.1 R22.1 R25.1 SW1.3 SW1.S1 SW1.S2 SW1.S3 SW1.S4 SW3.1 SW4.1 U1.6 U1.8 U1.17 U3.3 U3.9 U3.11 U5.3 U5.9 U5.11 U6.3 U6.13 U7.3 U7.29 U8.1 U8.15 U8.38 U8.39 | length 122
  Top Layer w0.2: U1.8 31.45,-5.55 v1(31.95,-6.05) U1.17 32.45,-6.05 U1.6 ; U6.13 31.9,-12.7 U6.3 ; U5.11@48.577,11.7 U5.11@48.7,11.577 ; SW4.1 72.575,-5.625 73.5,-4.7 C20.1
  Top Layer w0.3: J1.5 5.5,-1.3 v1(5.6,-1.4) ; U7.3 15.9,2.4 U7.29 ; U3.11 U3.3 ; U3.11@31.927,11.65 32,11.577 U3.9 ; R22.1 38.154,-7.946 v1(38.5,-7.6) ; U5.11 U5.3 ; U5.9 U5.11@48.7,11.577 ; v1(94.5,8.2) 95.5,7.2 96.35,7.2 R3.2 R25.1
  Top Layer w0.5: D2.2 v1(3.3,-6.55) ; C16.1 10.65,-3.4 C15.1 v1(12.25,-5.8) ; v1(11.4,-16.35) J3.P1 J3.P2 18.1,-15.1 J3.2 ; v1(18.35,-6.6) C17.1 C18.1 ; v1(24.6,-6.95) R5.1 R7.1 ; v1(24.6,-4.2) R8.1 ; v1(24.625,-2.875) 24.675,-2.825 C21.2 ; v1(28,10.3) C7.2 29.373,11.15 30.3,12.077 U3.11 31.927,11.65 C8.1@35,11.65 ; C10.1 32.6,7.5 v1(32.9,7.2) ; U6.13 v1(31.7,-11.16) ; v1(35,10.704) C8.1@35,11.65 ; C5.2 37.245,-11.105 v1(37.25,-11.1) ; C9.1@37.382,11.65 C8.1@35,11.65 ; SW1.S2 SW1.S1 v1(39.45,-16.5) ; C6.1 v1(41.25,-13.7) ; v1(44.6,10.389) C1.2 46.15,11.25 46.977,12.077 U5.11 48.577,11.7 49.9,11.7 50.125,11.475 C2.1 ; v1(45.35,-15.25) SW1.3 45.965,-16.35 SW1.S4 SW1.S3 ; v1(46.65,6.2) 47.2,6.75 C4.1 ; U8.38 51.8,-13.7 U8.39 ; v1(51.7,10.704) C2.1 ; C3.1 C2.1 ; v1(61.68,14.8) SW3.1 61.755,12.748 C19.1 ; v1(63.3,1.3) 64.015,2.015 U8.15 ; U8.1 69.2,-13.7 69.65,-13.25 C11.1 72.65,-14.85 C12.1 v1(73.55,-15.75) ; v1(71.05,-7.9) 71.55,-7.4 SW4.1 ; C13.1 v1(75.5,-9.89)
  other v1: 57.9,-7.6 60.6,-7.6 32.45,-6.55 57.9,-4.8 60.6,-4.81 15.54,1.15 17.29,1.15 15.54,2.9 17.29,2.9
IO0: Q2.E R19.2 U8.25 | length 51
  Top Layer w0.2: Q2.E 31.129,4.46 31.806,3.783 36.817,3.783 39.65,0.95 45.95,0.95 47.81,2.81 U8.25 49.8,5.45 50.95,6.6 v1(52.1,6.6) ; v1(59.7,7.6) 69.45,7.6 70.7,8.85 70.7,11.823 R19.2
  Bottom Layer w0.2: v1(52.1,6.6) 55.2,6.6 56.2,7.6 v1(59.7,7.6)
IO5: C14.2 SW2.2 U8.29 | length 17.5
  Top Layer w0.2: C14.2 39.8,4.75 SW2.2 39.8,2 40.3,1.5 v1(45.35,1.5) ; v1(47.9,-1.9) 48.27,-2.27 48.7,-2.27 U8.29
  Bottom Layer w0.2: v1(45.35,1.5) 47.9,-1.05 v1(47.9,-1.9)
NetC4_2: C4.2 R2.1 U5.6 U5.7 U5.8 | length 12.6
  Top Layer w0.2: 47.2,10.1 U5.6 ; 47.7,10 U5.7 ; 48.2,10 U5.8
  Top Layer w0.3: R2.1 42.3,9.9 43.2,9 C4.2 ; 47.2,10.1 C4.2 ; 47.7,10 47.7,9.5 C4.2 ; 48.2,10 48.2,9.2 48,9 C4.2
NetC6_2: C6.2 U6.5 | length 6.7
  Top Layer w0.2: U6.5 34.4,-11.9 v1(34.6,-12.1) ; v1(37.1,-14.1) 37.4,-14.1 37.8,-13.7 C6.2
  Bottom Layer w0.2: v1(34.6,-12.1) 34.6,-13.5 35.2,-14.1 v1(37.1,-14.1)
NetC10_2: C10.2 R9.1 U3.6 U3.7 U3.8 | length 12.5
  Top Layer w0.2: 30.5,10.1 U3.6 ; 31,10 U3.7 ; 31.5,10 U3.8
  Top Layer w0.3: R9.1 25.6,9.927 26.527,9 C10.2 ; 30.5,10.1 C10.2 ; 31,10 31,9.5 C10.2 ; 31.5,10 31.5,9.2 31.3,9 C10.2
NetC14_1: C14.1 R11.1 SW2.4 | length 11.7
  Top Layer w0.2: R11.1 37.3,1.691 v1(37.509,1.9) ; v1(41.3,2.6) 42.925,2.6 SW2.4 44.3,5.25 C14.1
  Bottom Layer w0.2: v1(37.509,1.9) 38.209,2.6 v1(41.3,2.6)
NetC19_2: C19.2 R19.1 SW3.2 | length 6.3
  Top Layer w0.2: C19.2 64.93,11.808 SW3.2 R19.1
NetC20_2: C20.2 R21.1 SW4.2 | length 8.1
  Top Layer w0.2: 75.6,-4.1 75.825,-4.325 SW4.2
  Top Layer w0.3: C20.2 75.6,-4.1 77.85,-4.1 78.5,-4.75 R21.1
NetD1_2: D1.2 R23.1 | length 7.4
  Top Layer w0.2: D1.2 28.7,-0.804 v1(28.7,-2.9) ; v1(30.372,-4.014) 30.486,-4.014 31.745,-2.755 R23.1
  Bottom Layer w0.2: v1(28.7,-2.9) 28.7,-3.85 29.009,-4.159 29.154,-4.014 v1(30.372,-4.014)
NetD2_1: D2.1 R20.1 | length 3.8
  Top Layer w0.3: D2.1 3.375,-9.35 R20.1
NetJ1_2: J1.2 U7.5 | length 10.5
  Top Layer w0.152: J1.2 5.176,0.65 5.336,0.49 8,0.49 9.41,1.9 12.207,1.9 12.71,1.397 14.037,1.397 U7.5
NetJ1_3: J1.3 U7.4 | length 10.7
  Top Layer w0.152: J1.3 5.176,0 5.362,0.185 8.126,0.185 9.536,1.595 11.8,1.595 v1(12.145,1.25) ; v1(13.1,1.9) U7.4
  Bottom Layer w0.152: v1(12.145,1.25) 12.45,1.25 v1(13.1,1.9)
NetL1_1: L1.1 U5.4 | length 1.3
  Top Layer w0.2: U5.4 47.7,14.07
  Top Layer w0.3: 47.7,14.07 47.7,14.8
NetL1_2: L1.2 U5.2 | length 1.6
  Top Layer w0.2: U5.2 48.7,14.108
  Top Layer w0.3: 48.7,14.108 48.7,15.161
NetL2_1: L2.1 U3.4 | length 1.4
  Top Layer w0.2: U3.4 31,14.3
  Top Layer w0.3: L2.1@29.65,17.175 L2.1 ; 31,14.3 31,14.75
NetL2_2: L2.2 U3.2 | length 1.6
  Top Layer w0.2: U3.2 32,14.208
  Top Layer w0.3: 32,14.208 32,14.9 ; L2.2@33.45,17.175 L2.2
NetQ1_B: Q1.B R17.2 | length 22.7
  Top Layer w0.2: R17.2 11.59,9.578 13.112,11.1 22.5,11.1 23.7,9.9 23.7,2.8 24.04,2.46 Q1.B
NetQ2_B: Q2.B R18.2 | length 19.2
  Top Layer w0.2: R18.2 16.31,9.41 v1(16.9,10) ; v1(28.5,6.9) 28.51,6.9 29.51,5.9 30.86,5.9 Q2.B
  Bottom Layer w0.2: v1(16.9,10) 25.4,10 v1(28.5,6.9)
NetQ3_D: Q3.D U2.F U2.G | length 5.7
  Top Layer w0.3: Q3.D 94.795,-0.02 U2.G U2.F
NetR1_1: R1.1 U1.5 | length 8.7
  Top Layer w0.2: R1.1 32.986,-0.04 32.986,-0.804 33.682,-1.5 35.204,-1.5 35.3,-1.596 35.3,-3.65 34.95,-4 33.329,-4 32.95,-4.379 U1.5
NetR4_1: R4.1 SW1.1 | length 3.3
  Top Layer w0.3: R4.1 40.4,-15.9 SW1.1
NetR7_2: R7.2 U1.14 | length 6.3
  Top Layer w0.152: R7.2 31.1,-9.7 31.95,-8.85 U1.14
NetR8_2: R8.2 U1.12 | length 5.5
  Top Layer w0.2: R8.2 27.927,-4.2 28.923,-5.196 28.923,-6.356 29.617,-7.05 U1.12
NetR12_1: R12.1 U7.26 | length 4.1
  Top Layer w0.152: R12.1 13.95,5.8 14.35,5.4 15.5,5.4 15.9,5 U7.26
NetR22_2: R22.2 U1.16 | length 4.2
  Top Layer w0.2: U1.16 32.95,-8.493 33.308,-8.85 34.3,-8.85 35.204,-7.946 R22.2
NetR23_2: R23.2 U1.9 | length 5.3
  Top Layer w0.2: U1.9 30.899,-5.451 30.899,-4.155 31.216,-3.838 32.791,-3.838 33.874,-2.755 R23.2
NetR25_2: R25.2 U2.C | length 13.2
  Top Layer w0.2: R25.2 100,9 100.3,9.3 103.3,9.3 104.5,8.1 104.5,2.35 U2.C
NetSW1_2: SW1.2 U1.15 | length 18.7
  Top Layer w0.2: 32.45,-9.25 U1.15
  Top Layer w0.3: 32.45,-9.25 33.2,-10 v1(34.3,-10) ; v1(39.7,-10) 42.8,-10 43.8,-11 SW1.2@43.8,-16.05
  Bottom Layer w0.3: v1(34.3,-10) v1(39.7,-10)
RTS: Q1.E R18.1 U7.24 | length 19.4
  Top Layer w0.152: R18.1 16.31,6.202 16.903,5.608 16.903,5.003
  Top Layer w0.2: U7.24 16.9,5 16.903,5.003 17.219,5.319 20.181,5.319 21.2,4.3 21.2,1.6 23.1,-0.3 26.5,-0.3 26.95,0.15 Q1.E
RXD: R14.1 U7.25 | length 6.8
  Top Layer w0.152: U7.25 v1(16.4,5.4) ; v1(17.7,5.9) 20.1,5.9 20.9,6.7 R14.1
  Bottom Layer w0.152: v1(16.4,5.4) 16.9,5.9 v1(17.7,5.9)
RXD0: R13.2 U8.34 | length 48.4
  Top Layer w0.2: R13.2 19.55,6.7 19.9,6.7 20.1,6.9 20.1,9.5 20.45,9.85 22.45,9.85 23.2,9.1 23.2,2.4 24.6,1 v1(26.1,1) ; v1(32.7,1.5) 34.2,1.5 35.8,-0.1 35.8,-4.3 38.1,-6.6 v1(46.25,-6.6) ; v1(48.25,-8.6) 49.78,-8.6 U8.34
  Bottom Layer w0.2: v1(26.1,1) 26.6,1.5 v1(32.7,1.5) ; v1(46.25,-6.6) v1(48.25,-8.6)
SCL: J2.3 pad.6 R16.1 U6.2 U8.36 | length 71
  Top Layer w0.2: U6.2 34.955,-13.1 35.418,-12.637 v1(35.5,-12.637) ; v1(37.8,-11.7) 37.8,-9.4 38.627,-8.573 v1(46.35,-8.573) ; v1(47.3,-10.1) 48.36,-11.16 U8.36 52.14,-11.16 52.7,-10.6 v1(52.7,-8.6) ; v1(52.7,-6.4) 53.3,-5.8 53.3,-3.838 55.138,-2 63.549,-2 64.873,-0.676 64.873,3.539 65.551,4.217 69.083,4.217 71.55,1.75 pad.6 R16.1 80.7,0.1 83.86,0.1 J2.3
  Bottom Layer w0.2: v1(35.5,-12.637) 36.037,-12.1 37.5,-12.1 37.8,-11.8 v1(37.8,-11.7) ; v1(46.35,-8.573) 47.3,-9.523 v1(47.3,-10.1) ; v1(52.7,-8.6) v1(52.7,-6.4)
SDA: J2.4 pad.7 R15.2 U6.1 U8.33 | length 68.2
  Top Layer w0.2: U6.1 35.3,-13.5 v1(35.4,-13.4) ; v1(38.6,-12.1) 38.6,-9.4 38.9,-9.1 46.95,-9.1 47.3,-8.75 47.3,-8.1 48.05,-7.35 U8.33 53,-7.35 53.7,-6.65 53.7,-3.9 55.2,-2.4 63.715,-2.4 65.2,-0.915 65.2,3.3 65.717,3.817 68.983,3.817 pad.7 73.1,-0.366 73.934,-1.2 78.95,-1.2 79.05,-1.3 81.58,-3.83 J2.4
  Bottom Layer w0.2: v1(35.4,-13.4) 35.4,-13.545 36.445,-12.5 38.128,-12.5 38.528,-12.1 v1(38.6,-12.1)
TS: R5.2 U1.1 U6.10 | length 16
  Top Layer w0.2: R5.2 28,-6.95 28.4,-7.35 v1(28.4,-9) ; v1(28.9,-12.7) U6.10 ; U1.1 34.05,-7.05 v1(34.5,-7.5)
  Bottom Layer w0.2: v1(28.4,-9) 28.4,-9.9 ; v1(28.9,-12.7) 28.4,-12.2 28.4,-9.9 ; v1(34.5,-7.5) 32.1,-9.9 28.4,-9.9
TXD: R12.2 R13.1 | length 7.9
  Top Layer w0.2: R12.2 13.95,9.85 14.7,10.6 18.6,10.6 18.9,10.3 R13.1
TXD0: R14.2 U8.35 | length 52.8
  Top Layer w0.2: R14.2 21.346,9.296 21.8,9.296 22.3,8.796 v1(22.3,8) ; U8.35 50.61,-9.89 v1(51.3,-9.2)
  Bottom Layer w0.2: v1(22.3,8) 23.2,8 27.9,3.3 31.3,3.3 33.273,5.273 50.028,5.273 50.182,5.427 50.618,5.427 50.772,5.273 51.7,5.273 53,3.973 53,2.9 52.3,2.2 51.6,2.2 51.3,1.9 v1(51.3,-9.2)
VBAT: R4.2 R24.1 U1.2 U1.3 U6.7 | length 33.7
  Top Layer w0.2: R24.1 27.577,-12.35 28.427,-11.5 U6.7
  Top Layer w0.5: R24.1 v1(26.55,-11.6) ; v1(27.825,-13.925) 27.825,-14.05 28.95,-15.175 35.525,-15.175 R4.2
  Bottom Layer w0.5: v1(26.55,-11.6) 27.3,-10.85 ; v1(27.825,-13.925) 27.825,-11.375 27.3,-10.85 ; v1(35.05,-6.175) 35.275,-5.95 35.275,-4.825 34.7,-4.25 32.866,-4.25 32.28,-4.836 30.864,-4.836 30.823,-4.877 30.823,-6.077 29.25,-7.65 27.75,-7.65 27.3,-8.1 27.3,-10.85
VOUT: C1.1 C7.1 C21.1 D1.1 pad.9 R1.2 R2.2 R9.2 U1.10 U1.11 U3.5 U5.5 | length 59.5
  Top Layer w0.2: 29.4,-6.3 29.65,-6.55 U1.11 ; 29.6,-5.6 30.05,-6.05 U1.10 ; 30.353,14.217 30.5,14.07 U3.5 ; 47,14.2 47.2,14 U5.5
  Top Layer w0.3: 28.646,1.536 D1.1 29.403,0.55 29.953,0 R1.2 ; 29.2,14.2 29.217,14.217 30.353,14.217 ; 29.4,-6.3 29.4,-5.4 ; 29.4,-4.4 29.4,-5.4 ; 29.6,-5.6 29.4,-5.4 ; 45.9,14.108 45.992,14.2 47,14.2
  Top Layer w0.5: v1(26.1,15.2) 25.592,15.2 24.3,13.908 24.3,9.296 28.646,4.95 28.646,1.536 ; C21.1 27.9,-3.125 27.9,-3.225 29.075,-4.4 29.4,-4.4 29.4,-3.6 30.2,-2.8 pad.9 31.046,-2.054 R1.2 ; v1(34.6,8.3) 39.3,8.3 41,10 41,12.823
  Bottom Layer w0.5: v1(26.1,15.2) 27.7,15.2 30.823,12.077 30.823,11.796 31.22,11.4 31.5,11.4 v1(34.6,8.3)
VUSB: C17.2 C18.2 J1.1 pad.8 R20.2 U1.13 U7.8 | length 50.1
  Top Layer w0.2: 30.854,-8.95 31.45,-8.354 U1.13
  Top Layer w0.3: 3.1,-3.6 3.1,0.7 3.7,1.3 J1.1 ; U7.8 14.9,-1.29 15.41,-1.8 18,-1.8 18.35,-2.15 C17.2 ; 22.4,-4.5 23.5,-5.6 27.634,-5.6 28.946,-6.912 28.946,-7.946 29.95,-8.95 30.854,-8.95
  Top Layer w0.5: 3.1,-3.6 pad.8 6.95,-7.45 R20.2 ; R20.2@7,-7.5 15.9,-7.5 16.4,-7 16.4,-3 16.7,-2.7 C17.2 19.9,-2.7 20.5,-3.3 C18.2 22.2,-4.3 22.4,-4.5
pads on no net: J1.4 J1.P$6 J1.P$7 J1.P$8 J1.P$9 J1.P$10 J1.P$11 J1.P$12 J1.P$13 SW1.None SW2.1 SW2.3 U1.4 U1.7 U2.A U2.B U2.E U2.H U2.J U2.K U6.4 U6.9 U6.11 U7.1 U7.2 U7.9 U7.10 U7.11 U7.12 U7.13 U7.14 U7.15 U7.16 U7.17 U7.18 U7.19 U7.20 U7.21 U7.22 U7.27 U8.4 U8.5 U8.6 U8.7 U8.8 U8.9 U8.10 U8.11 U8.12 U8.13 U8.14 U8.16 U8.17 U8.18 U8.19 U8.20 U8.21 U8.22 U8.23 U8.27 U8.31 U8.32 U8.37
copper on no net: | length 6.1
  Top Layer w0.5: 1.75,-3.05 1.75,-1 1.75,1 1.75,3.05

## Polygon pours and split planes (outlines as drawn)
BATTIN on Top Layer "Top Layer-BATTIN 1" (solid, pour order 65): 35.5,-10.6 cw(c35.5,-10.75) 35.65,-10.75 35.65,-11.475 cw(c35.5,-11.475) 35.5,-11.625 33.3,-11.625 cw(c33.3,-11.475) 33.15,-11.475 33.15,-11.325 ccw(c33.025,-11.325) 33.025,-11.2 32.692,-11.2 cw(c32.692,-11.108) 32.6,-11.108 32.6,-10.6
BATTIN on Top Layer "Top Layer-BATTIN 2" (solid, pour order 63): 32.725,-10.725
BATTIN on Top Layer "Top Layer-BATTIN" (solid, pour order 57): 16.825,-9.575 ccw(c16.825,-9.7) 16.7,-9.7 16.7,-10.6 ccw(c17,-10.6) 17,-10.9 17.642,-10.9 cw(c17.642,-11.158) 17.9,-11.158 17.9,-13.25 21.8,-17.2 26.45,-17.2 ccw(c26.45,-16.925) 26.725,-16.925 26.725,-14.05 ccw(c26.4,-14.05) 26.4,-13.725 24.45,-13.725 cw(c24.45,-13.3) 24.025,-13.3 24.025,-10.475 ccw(c23.125,-10.475) 23.125,-9.575
VBAT on Top Layer "Top Layer-VBAT" (solid, pour order 51): 33.275,-5.875 33.275,-6.6 ccw(c33.4,-6.6) 33.4,-6.725 35.725,-6.725 ccw(c35.725,-6.575) 35.875,-6.575 35.875,-6 ccw(c35.725,-6) 35.725,-5.85 33.3,-5.85 ccw(c33.3,-5.875)
no net on Top Layer "Top Layer-No Net 2" (solid, pour order 47): 32.3,-10.3
3V3 on Top Layer "Top Layer-3V3" (solid, pour order 28): 49.9,14.208 49.9,14.223 50.015,14.323 56.215,14.323 56.315,14.223 56.315,12.623 56.215,12.523 50.115,12.523 49.9,12.738
NetL1_2 on Top Layer "Top Layer-NetL1_2" (solid, pour order 30): 48.4,18.25 48.65,18.5 51.2,18.5 51.5,18.2 51.5,16.3 51.2,16 50.486,16 48.886,14.4 48.4,14.4
NetL1_1 on Top Layer "Top Layer-NetL1_1" (solid, pour order 32): 47.9,18.5 48.2,18.2 48.2,14.8 47.8,14.4 47.5,14.4 46.8,15.1 45.9,16 45.5,16 45.2,16.3 45.2,18.3 45.4,18.5
3V3 on Top Layer "Top Layer-3V3 1" (solid, pour order 34): 9.2,-2.8 13.4,-2.8 13.6,-2.6 13.6,-0.4 13.2,0 13.2,0.915 9.675,0.915 9.2,0.44
VOUT on Top Layer "Top Layer-VOUT" (solid, pour order 14): 24,12.4 24.2,12.2 29.3,12.2 29.75,12.65 29.75,14.083 29.5,14.333 24.233,14.333 24,14.1
VOUT on Top Layer "VOUT_L01_P026" (solid, pour order 26): 40.604,12.4 40.804,12.2 45.904,12.2 46.354,12.65 46.354,14.083 46.104,14.333 40.837,14.333 40.604,14.1
NetL2_2 on Top Layer "Top Layer-NetL2_2" (solid, pour order 24): 31.7,18.35 31.95,18.6 34.5,18.6 34.8,18.3 34.8,16.4 34.5,16.1 33.786,16.1 32.186,14.5 31.7,14.5
NetL2_1 on Top Layer "NETL2_1_L01_P022" (solid, pour order 22): 31.2,18.6 31.5,18.3 31.5,14.9 31.1,14.5 30.8,14.5 30.1,15.2 29.2,16.1 28.8,16.1 28.5,16.4 28.5,18.4 28.7,18.6
5V on Top Layer "5V_L01_P020" (solid, pour order 20): 33.2,14.315 33.2,14.859 34.11,15.65 39.15,15.65 39.615,15.185 39.615,12.73 39.515,12.63 33.415,12.63 33.2,12.845
no net on Top Layer "Top Layer-No Net" (solid, pour order 12): 27.3,13.8
no net on Top Layer "Top Layer-No Net 1" (solid, pour order 10): 30.6,13.742
5V on Top Layer "Top Layer-5V 1" (solid, pour order 0): 32.5,13.55
GND on Bottom Layer "Bottom Layer-GND" (solid, pour order 41): 1.121,-20 1,-19.879 1,6 cw(c15,6) 15,20 114,20 114,-6 cw(c100.5,-6.5) 101,-20
no net on Bottom Layer "Bottom Layer-No Net" (solid, pour order 38): 1,-20 1,6

## Silkscreen, mask and mechanical layers (free items; w line width, h text height)
Top Overlay:
  drawing of 8 lines, arcs and shapes, not listed
  text "3v3" at 57.6,18.5 h1 r270
  text "5V" at 40.8,18.45 h1 r270
  text "3v3" at 8.9,2.8 h1 r270
  text "DESIGNED BY" at 88.903,-10.5 h2.5
  text "OFF" at 37.3,-17.4 h1.5 r270
  text "ON" at 47.7,-17.5 h1.5 r270
Mechanical 1:
  lines w0.2: 0,-21 77,-21 90,-21 100,-21 ccw(c100,-6) 115,-6 115,21 105,21 92,21 15,21 ccw(c15,6) 0,6 0,-21

## Text inside footprints (layer, text, board x,y; h text height)
U8: Mechanical 4 "ANTENNA" at 64.025,-16.841 h1 r180; Mechanical 4 "ANTENNA" at 64.025,-16.841 h1 r180